# Altium PCB PIX_NANO.PcbDoc (part 1 of 2) (continued)
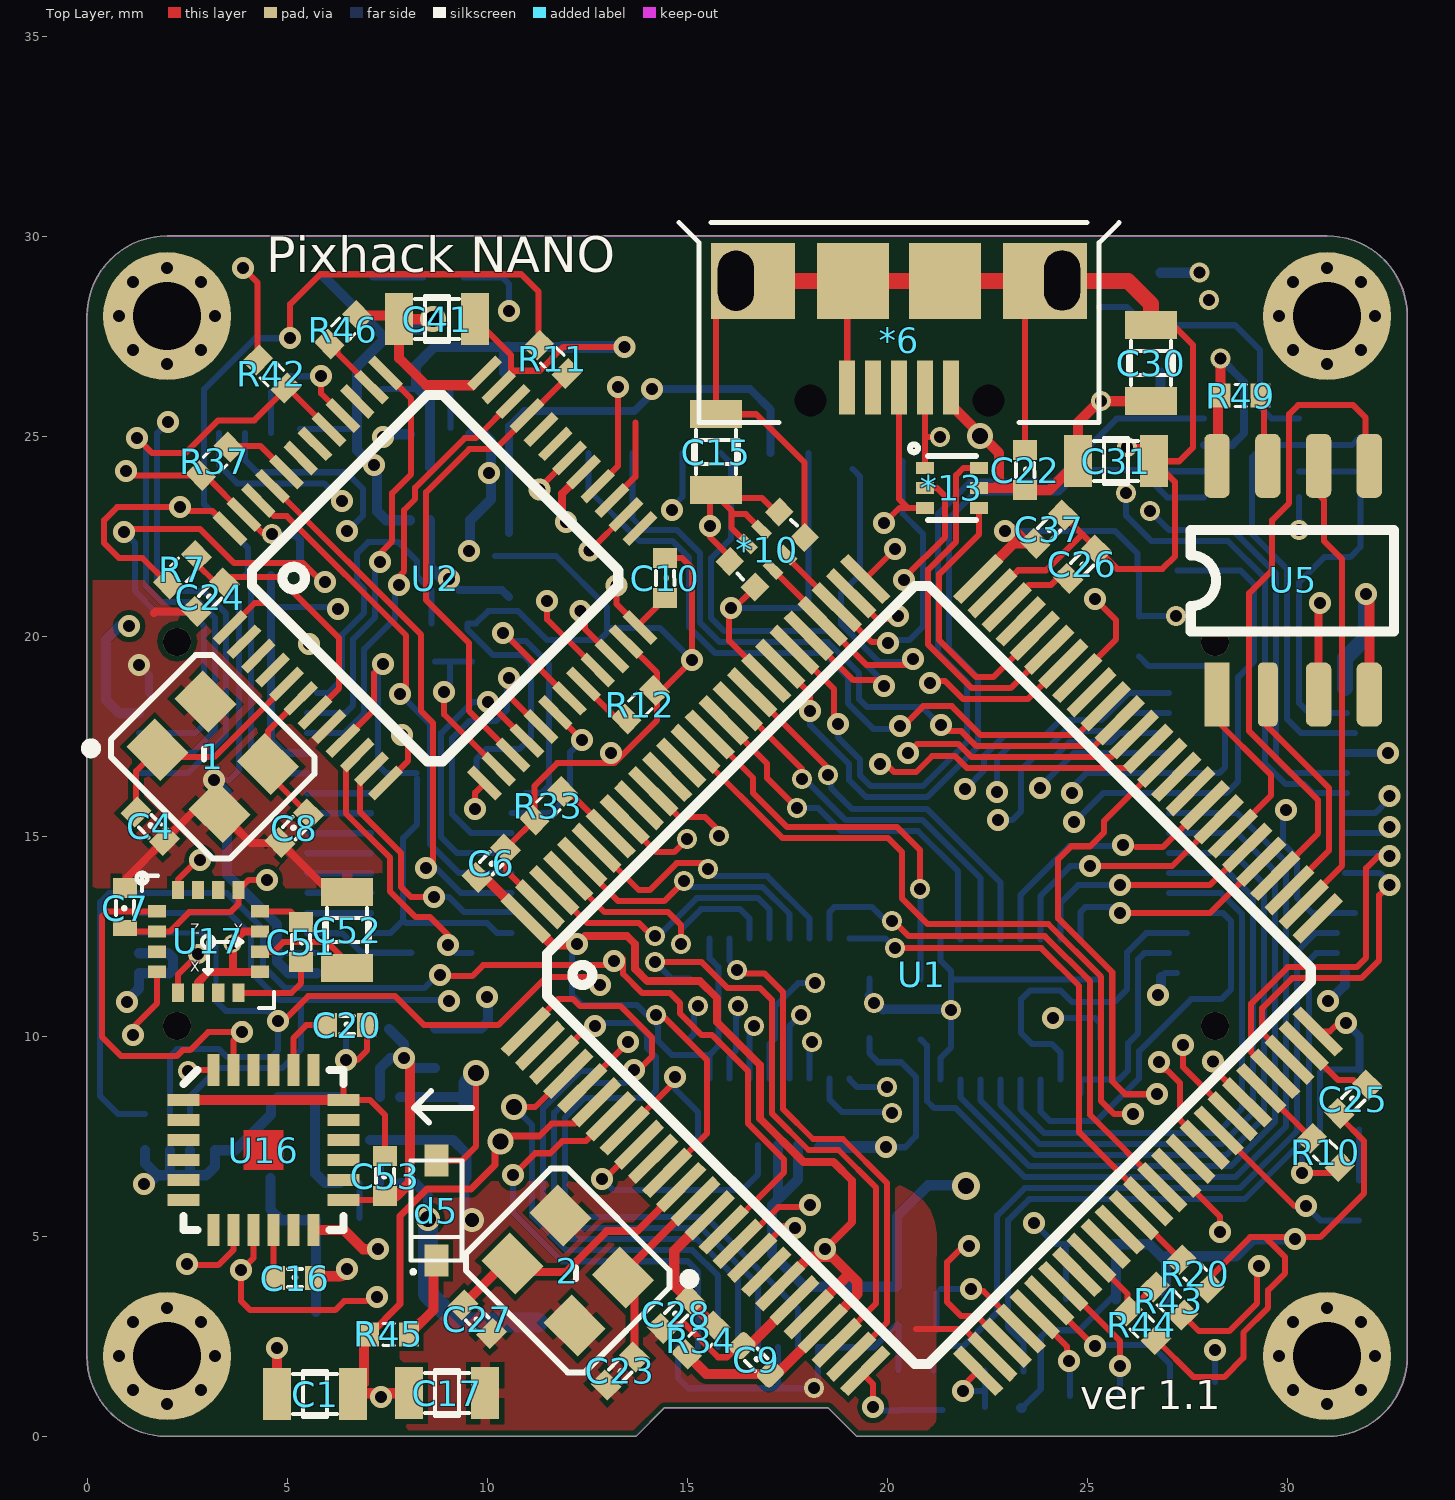
[diagram p0: Top Layer view]
## Footprints (in the part's own frame and the unit in brackets; to place one, negate y for a bottom-side part, rotate by r counter-clockwise, add the part's x,y. Pads: shape width x height; smd on the part's side, far side on the other; paste and mask are expansions set on the pad)
0402_4R [mm]
  rect 0.525x0.5 smd: 1(-0.85,-0.425) 4(0.9,-0.425) 5(0.9,0.475) 8(-0.85,0.475)
  rect 0.25x0.5 smd: 2(-0.225,-0.425) 3(0.275,-0.425) 6(0.275,0.475) 7(-0.225,0.475)
  silkscreen extent -0.93,-0.08 0.97,0.12, body extent -0.97,-0.5 1.03,0.5, height 0.45
0402CAP#1 [mm]
  rect 0.5x0.6 smd: 1(0.5,0) 2(-0.5,0)
  silkscreen extent -0.18,-0.23 0.18,0.23, body extent -0.5,-0.25 0.5,0.25, height 0.5
0402CAP#2 [mm]
  rect 0.4x0.6 smd: 1(0.5,0)
  rect 0.5x0.6 smd: 2(-0.5,0)
  silkscreen extent -0.18,-0.23 0.18,0.23, body extent -0.5,-0.25 0.5,0.25, height 0.5
0402CAP#3 [mm]
  rrect50% 0.5x0.6 smd: 1(0.5,0) 2(-0.5,0)
  silkscreen extent -0.18,-0.23 0.18,0.23, body extent -0.5,-0.25 0.5,0.25, height 0.5
0603-LED-YE [mm]
  rect 0.8x0.8 smd: 1(-0.821,-0.03) 2(0.679,-0.03)
  silkscreen extent -0.21,-0.49 0.1,0.43, body extent -0.88,-0.42 0.74,0.38, height 1.1
0805CAP#1 [mm]
  rect 0.7x1.3 smd: 1(-0.95,-0.025) 2(0.95,-0.025)
  silkscreen extent -0.55,-0.6 0.55,0.55, body extent -1.02,-0.62 0.98,0.58, height 1.2
0805CAP#2 [mm]
  rrect50% 0.7x1.3 smd: 1(-0.95,-0.025) 2(0.95,-0.025)
  silkscreen extent -0.55,-0.6 0.55,0.55, body extent -1.02,-0.62 0.98,0.58, height 1.2
0805CAP#3 [mm]
  rect 0.7x1.3 smd: 1(0.95,-0.025) 2(-0.95,-0.025)
  silkscreen extent -0.55,-0.6 0.55,0.55, body extent -1.02,-0.62 0.98,0.58, height 1.2
0805cap [mm]
  rect 0.7x1.3 smd: 1(-0.95,-0.025) 2(0.95,-0.025)
  silkscreen extent -0.55,-0.6 0.55,0.55, body extent -1.02,-0.62 0.98,0.58, height 1.2
7343CAP [mm]
  rrect50% 2.4x3.5 smd: A(-2.518,-0.084) C(3.289,-0.084)
  silkscreen extent -4.15,-2.28 4.92,2.12, body extent -3.14,-2.4 4.16,1.9, height 2.25
47352-1001 [mm]
  rrect50% 0.8x1.5 smd: 1(-2.233,4.882) 2(-1.133,4.482) 3(-0.033,4.882) 4(1.067,5.082) 5(2.167,4.882) 6(3.267,5.082) 7(4.367,4.882) 8(5.467,4.882)
  rect 1.4x1.9 smd: 6(6.257,7.732) NC(-7.143,8.732)
  rect 1.8x1 smd: NC1(-1.043,-5.418)
  rect 1.8x1.2 smd: NC2(4.657,-5.418)
  silkscreen extent -7.59,-5.82 6.71,14.78, body extent -7.4,-6.11 6.7,9.09, height 1.9
547220164 [mm]
  rect 0.3x1.25 smd: 1(-1.775,2.425) 2(-1.275,2.425) 3(-0.775,2.425) 4(-0.275,2.425) 5(0.225,2.425) 6(0.725,2.425) 7(1.225,2.425) 8(1.725,2.425) 9(1.725,-2.625) 10(1.225,-2.625) 11(0.725,-2.625) 12(0.225,-2.625) 13(-0.275,-2.625) 14(-0.775,-2.625) 15(-1.275,-2.625) 16(-1.775,-2.625)
  silkscreen extent -3.3,-2.58 3.3,2.42, body extent -3.3,-3.07 3.3,2.93, height 1.17
AXK630247YG [mm]
  rect 0.25x1.25 smd: 1(-3.575,2.2) 2(-3.075,2.2) 3(-2.575,2.2) 4(-2.075,2.2) 5(-1.575,2.2) 6(-1.075,2.2) 7(-0.575,2.2) 8(-0.075,2.2) 9(0.425,2.2) 10(0.925,2.2) 11(1.425,2.2) 12(1.925,2.2) 13(2.425,2.2) 14(2.925,2.2) 15(3.425,2.2) 16(3.425,-2) 17(2.925,-2) 18(2.425,-2) 19(1.925,-2) 20(1.425,-2) 21(0.925,-2) 22(0.425,-2) 23(-0.075,-2) 24(-0.575,-2) 25(-1.075,-2) 26(-1.575,-2) 27(-2.075,-2) 28(-2.575,-2) 29(-3.075,-2) 30(-3.575,-2)
  silkscreen extent -5.5,-1.7 5.28,1.8, body extent -5.45,-2.2 5.25,2.4, height 2.9
HMC5983 [mil]
  rect 18x12 smd: 1(-54.21,30.87) 2(-54.21,10.87) 3(-54.21,-8.97) 4(-54.21,-28.65) 9(46.98,-28.65) 10(46.98,-8.97) 11(46.98,10.87) 12(46.98,30.87)
  rect 12x18 smd: 5(-33.54,-49.32) 6(-13.86,-49.32) 7(5.98,-49.32) 8(25.98,-49.32) 13(25.98,51.87) 14(5.98,51.87) 15(-13.86,51.87) 16(-33.54,51.87)
  silkscreen extent -74,-64 61,68, body extent -63,-58 57,62, height 35
KYOCERA-KNH16-DA [mm]
  rect 0.3x0.4 smd: 0(0.022,-0.517) 0(0.022,0.283)
  rrect50% 0.7x0.6 smd: 1(0.822,-0.117) 2(-0.778,-0.117)
  silkscreen extent -0.78,-0.52 0.82,0.28
MIC5530 [mm] "QFN, 8-Leads, Body 2.0x2.0mm (max), Pitch 0.00mm, Pitch1 0.50mm, IPC Medium Density"
  oval 0.55x0.25 smd: 1(-1.075,0.75) 2(-1.075,0.25) 3(-1.075,-0.25) 4(-1.075,-0.75) 5(1.075,-0.75) 6(1.075,-0.25) 7(1.075,0.25) 8(1.075,0.75)
  rect 0.7x1.3 smd: 2(0,0)
  silkscreen extent -1.37,-1 1,1.43, body extent -1,-1 1,1, height 0.85
"moles usb" [mm]
  rect 0.4x1.35 smd: 1(1.376,-1.4) 2(0.726,-1.4) 3(0.075,-1.4) 4(-0.575,-1.4) 5(-1.225,-1.4)
  round 0 hole 0.9 slot 1.5 at 90 deg: 5(-4.005,1.275) 5(4.149,1.282)
  rect 2.1x1.9 smd: 5(-3.575,1.273) 5(3.726,1.273)
  round 0 hole 0.8: 5(-2.142,-1.716) 5(2.308,-1.716)
  rect 1.8x1.9 smd: 5(-1.073,1.273) 5(1.227,1.273)
  Top Layer lines w0.254: 0.02,-1.88 0.075,-1.825 ; 0.075,-1.825 0.075,-1.825
  Multi-Layer lines w0.83: -4.005,0.935 -4.005,1.273 -4.005,1.275 -4.005,1.615 ; 4.155,0.935 4.155,1.263 4.155,1.273 4.155,1.282 4.155,1.615
  silkscreen extent -5.42,-2.27 5.58,2.73, body extent -3.92,-1.87 4.06,3.56, height 2.67
MPU6000 [mm]
  rect 0.8x0.3 smd: 1(-1.914,1.214) 2(-1.914,0.714) 3(-1.914,0.214) 4(-1.914,-0.286) 5(-1.914,-0.786) 6(-1.914,-1.286) 13(2.086,-1.286) 14(2.086,-0.786) 15(2.086,-0.286) 16(2.086,0.214) 17(2.086,0.714) 18(2.086,1.214)
  rect 0.3x0.8 smd: 7(-1.164,-2.036) 8(-0.664,-2.036) 9(-0.164,-2.036) 10(0.336,-2.036) 11(0.836,-2.036) 12(1.336,-2.036) 19(1.336,1.964) 20(0.836,1.964) 21(0.336,1.964) 22(-0.164,1.964) 23(-0.664,1.964) 24(-1.164,1.964)
  Top Layer region: -0.414,-0.536 0.586,-0.536 0.586,0.464 -0.414,0.464
  Top Layer region: -0.214,-0.336 0.386,-0.336 0.386,0.264 -0.214,0.264
  Top Layer region: -0.414,-0.536 0.586,-0.536 0.586,0.464 -0.414,0.464
  silkscreen extent -1.91,-2.04 2.09,1.96, body extent -1.9,-2 2.1,2, height 1
ms5611 [mm]
  rect 0.6x1.1 smd: 1(1.925,1.125) 2(0.675,1.125) 3(-0.575,1.125) 4(-1.825,1.125) 5(-1.825,-1.075) 6(-0.575,-1.075) 7(0.675,-1.075) 8(1.925,-1.075)
  silkscreen extent -2.7,-1.73 2.8,1.77, body extent -2.47,-1.53 2.53,1.47, height 1
QFN20-RGY [mm]
  rect 0.85x0.28 smd: 1(-1.79,-0.672) 10(2.71,-0.672) 11(2.71,0.828) 20(-1.79,0.828)
  rect 0.28x0.85 smd: 2(-1.29,-1.672) 3(-0.79,-1.672) 4(-0.29,-1.672) 5(0.21,-1.672) 6(0.71,-1.672) 7(1.21,-1.672) 8(1.71,-1.672) 9(2.21,-1.672) 12(2.21,1.828) 13(1.71,1.828) 14(1.21,1.828) 15(0.71,1.828) 16(0.21,1.828) 17(-0.29,1.828) 18(-0.79,1.828) 19(-1.29,1.828)
  silkscreen extent -2.11,-1.99 2.71,1.83, body extent -1.77,-1.73 2.67,1.83, height 1
R0402 [mm]
  rect 0.5x0.6 smd: 1(-0.494,-0.021) 2(0.506,-0.021)
  silkscreen extent -0.13,-0.3 0.15,0.25, body extent -0.5,-0.27 0.5,0.23, height 0.3
SO-8 [mil]
  round 20 on Top Overlay: 0(-28.5,62.8)
  rect 62.99x25 smd: 1(-112.5,75)
  rrect50% 62.99x19.68 smd: 2(-112.5,25)
  rrect50% 62.99x25 smd: 3(-112.5,-25) 4(-112.5,-75) 5(112.5,-75) 6(112.5,-25) 7(112.5,25) 8(112.5,75)
  silkscreen extent -51,-99 50,101, body extent -118,-96 118,96
SOD323 [mm]
  rect 0.6x0.8 smd: 1(-0.217,1.264) 2(-0.217,-1.236)
  silkscreen extent -0.87,-1.56 0.43,1.26, body extent -0.87,-1.28 0.48,1.32, height 1.1
SOT23-8 [mil]
  rect 17x52 smd: 1(-38.46,-51.13) 2(-12.87,-51.13) 3(12.93,-51.13) 4(38.93,-51.13) 5(38.93,42.13) 6(12.93,42.13) 7(-12.87,42.13) 8(-38.46,42.13)
  silkscreen extent -59,-44 60,35, body extent -59,-60 59,50, height 44
SOT563-6 [mm]
  rect 0.45x0.3 smd: 1(-0.635,0.459) 2(-0.635,-0.041) 3(-0.635,-0.541) 4(0.715,-0.541) 5(0.715,-0.041) 6(0.715,0.459)
  silkscreen extent -1,-0.84 0.64,1.05, body extent -0.76,-0.85 0.86,0.75, height 0.58
TQFP48 [mm]
  rect 1x0.24 smd: 1(-4.65,2.85) 2(-4.65,2.35) 3(-4.65,1.85) 4(-4.65,1.35) 5(-4.65,0.85) 6(-4.65,0.35) 7(-4.65,-0.15) 8(-4.65,-0.65) 9(-4.65,-1.15) 10(-4.65,-1.65) 11(-4.65,-2.15) 12(-4.65,-2.65) 25(4.35,-2.65) 26(4.35,-2.15) 27(4.35,-1.65) 28(4.35,-1.15) 29(4.35,-0.65) 30(4.35,-0.15) 31(4.35,0.35) 32(4.35,0.85) 33(4.35,1.35) 34(4.35,1.85) 35(4.35,2.35) 36(4.35,2.85)
  rect 0.24x1 smd: 13(-2.9,-4.4) 14(-2.4,-4.4) 15(-1.9,-4.4) 16(-1.4,-4.4) 17(-0.9,-4.4) 18(-0.4,-4.4) 19(0.1,-4.4) 20(0.6,-4.4) 21(1.1,-4.4) 22(1.6,-4.4) 23(2.1,-4.4) 24(2.6,-4.4) 37(2.6,4.6) 38(2.1,4.6) 39(1.6,4.6) 40(1.1,4.6) 41(0.6,4.6) 42(0.1,4.6) 43(-0.4,4.6) 44(-0.9,4.6) 45(-1.4,4.6) 46(-1.9,4.6) 47(-2.4,4.6) 48(-2.9,4.6)
  silkscreen extent -3.52,-3.27 3.23,3.48, body extent -4.66,-4.41 4.36,4.61, height 1.1
TQFP100_2 [mm]
  rect 1.5x0.29 smd: 1(-7.675,6.55) 2(-7.675,6.05) 3(-7.675,5.55) 4(-7.675,5.05) 5(-7.675,4.55) 6(-7.675,4.05) 7(-7.675,3.55) 8(-7.675,3.05) 9(-7.675,2.55) 10(-7.675,2.05) 11(-7.675,1.55) 12(-7.675,1.05) 13(-7.675,0.55) 14(-7.675,0.05) 15(-7.675,-0.45) 16(-7.675,-0.95) 17(-7.675,-1.45) 18(-7.675,-1.95) 19(-7.675,-2.45) 20(-7.675,-2.95) 21(-7.675,-3.45) 22(-7.675,-3.95) 23(-7.675,-4.45) 24(-7.675,-4.95) 25(-7.675,-5.45) 51(8.325,-5.45) 52(8.325,-4.95) 53(8.325,-4.45) 54(8.325,-3.95) 55(8.325,-3.45) 56(8.325,-2.95) 57(8.325,-2.45) 58(8.325,-1.95) 59(8.325,-1.45) 60(8.325,-0.95) 61(8.325,-0.45) 62(8.325,0.05) 63(8.325,0.55) 64(8.325,1.05) 65(8.325,1.55) 66(8.325,2.05) 67(8.325,2.55) 68(8.325,3.05) 69(8.325,3.55) 70(8.325,4.05) 71(8.325,4.55) 72(8.325,5.05) 73(8.325,5.55) 74(8.325,6.05) 75(8.325,6.55)
  rect 0.29x1.5 smd: 26(-5.675,-7.45) 27(-5.175,-7.45) 28(-4.675,-7.45) 29(-4.175,-7.45) 30(-3.675,-7.45) 31(-3.175,-7.45) 32(-2.675,-7.45) 33(-2.175,-7.45) 34(-1.675,-7.45) 35(-1.175,-7.45) 36(-0.675,-7.45) 37(-0.175,-7.45) 38(0.325,-7.45) 39(0.825,-7.45) 40(1.325,-7.45) 41(1.825,-7.45) 42(2.325,-7.45) 43(2.825,-7.45) 44(3.325,-7.45) 45(3.825,-7.45) 46(4.325,-7.45) 47(4.825,-7.45) 48(5.325,-7.45) 49(5.825,-7.45) 50(6.325,-7.45) 76(6.325,8.55) 77(5.825,8.55) 78(5.325,8.55) 79(4.825,8.55) 80(4.325,8.55) 81(3.825,8.55) 82(3.325,8.55) 83(2.825,8.55) 84(2.325,8.55) 85(1.825,8.55) 86(1.325,8.55) 87(0.825,8.55) 88(0.325,8.55) 89(-0.175,8.55) 90(-0.675,8.55) 91(-1.175,8.55) 92(-1.675,8.55) 93(-2.175,8.55) 94(-2.675,8.55) 95(-3.175,8.55) 96(-3.675,8.55) 97(-4.175,8.55) 98(-4.675,8.55) 99(-5.175,8.55) 100(-5.675,8.55)
  silkscreen extent -6.67,-6.45 7.33,7.55, body extent -7.65,-7.45 8.35,8.55, height 1.2
"TSSOP8 - duplicate" [mm]
  rect 1x0.35 smd: 1(-1.595,0.925) 2(-1.595,0.275) 3(-1.595,-0.375) 4(-1.595,-1.025) 5(1.955,-1.025) 6(1.955,-0.375) 7(1.955,0.275) 8(1.955,0.925)
  silkscreen extent -1.94,-1.5 1.68,1.56, body extent -1.93,-1.6 2.17,1.5, height 1.1
TSX-3225 [mm]
  rect 1.2x1 smd: 1(1.133,0.764) 2(-1.067,0.764) 3(-1.067,-0.936) 4(1.133,-0.936)
  silkscreen extent -2.07,-1.89 2.43,2.01, body extent -1.6,-1.33 1.6,1.17, height 0.6

## Part data
*10 RB7: library part 0402_4R
*12: library part 47352-1001
C1 C2 C3 C4 C5 C6 C8 C9 C10 C14 C15 C17 C22 C23 C24 C25 C26 C27 C28 C30 C31 C37 C40 C41 C44 C45: library part Cap
C7 C16 C20 C46 C47 C51 C52 C53: library part Cap, "Capacitor"
C12: library part "Cap Pol1", "Polarized Capacitor (Radial)"
d5 D6: library part "D Schottky", "Schottky Diode"
D11 D12: "Typical RED GaAs LED"
IO_CON IO_CON2: library part AXK630247YG\
R3 R7 R10 R11 R12 R20 R21 R22 R23 R24 R27 R28 R29 R31 R33 R34 R35 R36 R37 R42 R43 R44 R45 R46 R47 R48 R49: library part Res2, "Resistor"
U5: library part Component_1
U3004: library part MAX3051MAX3051EKA, "IC TXRX CAN 1MBPS SOT23-8"

## Free pads (board coordinates)
  round 3.2 hole 1.7: 1(2,2) 1(2,28) 1(31,2) 1(31,28)
  round 0 hole 0.3: 3(0.8,2) 3(0.8,28) 3(1.151,1.151) 3(1.151,27.151) 3(2,0.8) 3(2,26.8) 3(2.849,1.151) 3(2.849,27.151) 3(29.8,2) 3(29.8,28) 3(30.151,1.151) 3(30.151,27.151) 3(31,0.8) 3(31,26.8) 3(31.849,1.151) 3(31.849,27.151) 5(1.151,2.849) 5(1.151,28.849) 5(2,3.2) 5(2,29.2) 5(2.849,2.849) 5(2.849,28.849) 5(3.2,2) 5(3.2,28) 5(30.151,2.849) 5(30.151,28.849) 5(31,3.2) 5(31,29.2) 5(31.849,2.849) 5(31.849,28.849) 5(32.2,2) 5(32.2,28)

## Via types
v1: diameter 0.55, hole 0.3, Top Layer to Bottom Layer, 139 vias
v2: diameter 0.5, hole 0.3, Top Layer to Bottom Layer, 39 vias
v3: diameter 0.65, hole 0.4, Top Layer to Bottom Layer, 5 vias
v4: diameter 0.7, hole 0.7, Top Layer to Bottom Layer, 4 vias
v5: diameter 0.7, hole 0.4, Top Layer to Bottom Layer, 1 vias
v6: diameter 0.6, hole 0.35, Top Layer to Bottom Layer, 1 vias
v7: diameter 0.6, hole 0.4, Top Layer to Bottom Layer, 1 vias
v8: diameter 0.45, hole 0.3, Top Layer to Bottom Layer, 1 vias

## Nets (pads, with @x,y where several pads share a name; then routed paths per layer and width w, separated by ;. In a path a pad name is that pad's centre, name@x,y a point inside that pad or via, vN(x,y) a via of type N, cw(c..) or ccw(c..) an arc to the next point about the centre after c; other vN are vias at no path point)
3.3V-2: F3.1 LDO2.7 | length 3.3
  Bottom Layer w0.2: v1(9.05,21.425) 9.05,21.4 9.3,21.15 10.371,21.15 F3.1@10.542,20.978
  Bottom Layer w0.25: LDO2.7@8.575,22.9 8.575,21.725 v1@8.875,21.425
3.3V-4: C2.2 C7.1 C46.1 C47.1 C53.1 LDO1.7 U16.13 U17.2 U17.13 U18.1 | length 42.5
  Top Layer w0.15: C7.1@1,12.613 U17.2@1.748,12.613 2.063,12.613 2.55,13.1 3.575,13.1 3.785,13.31 U17.13@3.785,13.655 4.03,13.9 v1(4.5,13.9) ; U16.13@6.411,5.901 C53.1@7.601,5.901 ; v1(7.925,9.45) v1@8.075,9.3
  Top Layer w0.254: C53.1@7.45,6 7.725,6 8.075,6.35 v1@8.075,9.3
  Mid-Layer 1 w0.25: v1(4.5,13.9) 5.625,13.9 6.125,13.4 6.125,10.75 6.725,10.15 7.575,10.15
  Mid-Layer 1 w0.254: 7.575,10.15 7.925,9.8 v1(7.925,9.45) 7.925,7.425 8.575,6.775 9.325,6.775 10.425,5.675 15.393,5.675 17.149,7.431 18.961,7.431 20.156,6.236 20.156,5.55 20.381,5.325 v1(23.675,5.325)
  Bottom Layer w0.15: v1(23.675,5.325) 24.2,4.8 C47.1@24.6,4.8 ; U18.1@24.475,3.425 C47.1@24.475,4.675
  Bottom Layer w0.25: LDO1.7@7.324,8.482 7.324,9.199 7.575,9.45 v1(7.925,9.45) ; C2.2@7.55,10.175 7.925,9.8 v1(7.925,9.45) ; C46.1@8.7,9.2 8.175,9.2 v1(7.925,9.45)
3V3_SENSORS_EN: U1.2
5V_HIPOWER_OC: U1.41
5V_PERIRH_OC: R10.2 U1.46 | length 1.8
  Top Layer w0.15: U1.46@29.351,8.702 R10.2@30.599,7.455
ACCEL_MAG: 
ACCEL_MAG_CS: con1.4 U1.9 | length 6.3
  Top Layer w0.15: v1@12.775,6.425 v1(12.875,6.425) ; v1@12.903,6.397 U1.9@13.795,7.288
  Bottom Layer w0.15: v1(12.875,6.425) 13.15,6.15 16.375,6.15 16.775,6.55 con1.4@16.775,7.275
ADC1: U1.18
ADC2: U1.33
ADC6.6: IO_CON2.4 R43.2 | length 22.6
  Top Layer w0.15: R43.2@27.393,3.027 27.795,2.625 28.55,2.625 29.25,3.325 v1@29.25,4.25
  Mid-Layer 1 w0.15: v1@29.15,4.4 v1(29.3,4.25) 31.162,4.25 32.15,5.238 32.15,12.55 31.925,12.775 31.925,15.025 31.35,15.6 30.025,15.6 v1(29.975,15.65)
  Bottom Layer w0.15: v1@29.9,15.55 29.9,14.814 30.25,14.464 30.25,13.45 30.625,13.075 IO_CON2.4@31.7,13.075
ALARM: IO_CON.20 U1.77 | length 35.3
  Top Layer w0.15: U1.77@19.098,21.077 19.75,20.425 v1@20.25,20.425
  Mid-Layer 1 w0.15: v1(2.025,25.35) 2.113,25.262 3.013,25.262 3.35,25.6 11.075,25.6 11.9,24.775 17.889,24.775 18.825,23.839 18.825,21.15 19.475,20.5 v1(20.275,20.5)
  Bottom Layer w0.15: IO_CON.20@1.3,16.575 2.514,16.575 3.475,17.536 3.475,20.564 2.914,21.125 1.975,21.125 1.75,21.35 1.75,25.075 v1@2.037,25.362
ARBER_LED: R47.2 U2.28 | length 8.9
  Top Layer w0.15: U2.28@12.764,23.75 13.275,24.261 v1(13.275,26.225)
  Mid-Layer 1 w0.15: v1(10.55,28.125) 12.25,28.125 12.575,27.8 12.575,26.525 12.9,26.2 v1@13.375,26.2
  Bottom Layer w0.15: R47.2@9.406,28.971 10.379,28.971 10.55,28.8 v1(10.55,28.125)
AUX_CH1: IO_CON.25
AUX_CH2: IO_CON.24
AUX_CH3: IO_CON.23
AUX_CH4: IO_CON.22
AUX_CH5: IO_CON.21
BARO_CS: U1.88 U18.5 | length 25.4
  Top Layer w0.15: U1.88@15.209,17.188 15.209,17.127 17.386,14.95 20.025,14.95 20.375,14.6 20.375,13.439 21.014,12.8 24.033,12.8 25.35,11.483 25.35,8.375 25.675,8.05 v1(26.15,8.05)
  Mid-Layer 1 w0.15: v1(26.15,8.05) 26.65,8.05 27.05,7.65 27.05,2.725 27.625,2.15 v1(28.2,2.15)
  Bottom Layer w0.15: U18.5@28.2,1.35 v1(28.2,2.15)
BARO_EXT_CS: con1.7 U1.8 | length 3.8
  Top Layer w0.15: U1.8@13.441,7.616 U1.8@13.441,7.642 13.467,7.642 v1@14.75,8.925
  Bottom Layer w0.15: v1(14.7,8.975) 14.7,8.675 15.275,8.1 con1.7@15.275,7.275
BATT_CURRENT: IO_CON2.2 R23.2 | length 17.5
  Bottom Layer w0.15: R23.2@23.414,1.622 23.414,2.325 23.025,2.713 23.025,5.4 23.55,5.925 28.933,5.925 30.55,7.542 30.55,11.9 30.725,12.075 IO_CON2.2@31.25,12.075
BATT_CURRENT_SENT: R23.1 R24.2 U1.26 | length 2.4
  Top Layer w0.15: v1(21.9,1.125) 21.774,1.125 U1.26@22.28,1.631
  Bottom Layer w0.15: v1(21.9,1.125) 22.444,1.125 ; R23.1@22.304,1.646 R23.1@22.431,1.646 ; R24.2@22.444,0.729 22.444,1.125 ; R23.1@22.444,1.608 22.444,1.125
BATT_VOLTAGE: IO_CON2.3 R35.2 | length 18.8
  Bottom Layer w0.15: R35.2@21.161,1.632 21.161,1.886 21.525,2.25 21.9,2.25 22.75,3.1 22.75,5.514 23.436,6.2 28.82,6.2 30.25,7.63 30.25,12.125 30.7,12.575 IO_CON2.3@31.25,12.575
BATT_VOLTAGE_SENS: R35.1 R36.2 U1.25 | length 2.8
  Top Layer w0.15: U1.25@19.452,1.631 19.452,1.498 19.65,1.3 v1(19.65,0.725)
  Bottom Layer w0.15: v1(19.65,0.725) 19.731,0.644 R36.2@20.321,0.644 ; R36.2@20.321,0.656 R35.1@21.379,0.656
BLUE_LED: U2.27 | length 2.2
  Top Layer w0.15: U2.27@13.118,23.396 13.704,23.983 13.704,25.346
BOOT0: R33.1 U1.94 | length 1.6
  Top Layer w0.15: R33.1@11.884,16.114 12.04,16.114 U1.94@13.088,15.066
BOOT1: R20.1 U1.37 | length 1.6
  Top Layer w0.15: U1.37@26.169,5.52 26.233,5.52 R20.1@27.343,4.41
BRICK_VALID: IO_CON.28 RB7.2 U1.91 | length 28.2
  Top Layer w0.15: v1(4.775,10.375) 4.9,10.375 5.525,11 7.7,11 8.425,10.275 10.275,10.275 11.475,11.475 12.625,11.475 v1(12.825,11.275) ; U1.91@14.149,16.127 14.8,15.475 15.45,15.475 15.8,15.125 v2(15.8,15)
  Mid-Layer 1 w0.15: v1(12.825,11.275) 15,11.275 15.425,11.7 15.425,12.125 16.15,12.85 16.15,14.65 v2(15.8,15)
  Bottom Layer w0.125: IO_CON.28@1.3,12.575 2.9,12.575 3.225,12.25 3.225,10.875
  Bottom Layer w0.15: RB7.2@2.074,8.051 2.074,9.499 2.25,9.675 3.3,9.675 3.5,9.475 4.6,9.475 4.775,9.65 v1(4.775,10.375) 4.525,10.625 3.475,10.625 3.225,10.875
CAN1_RX: U1.81 U3004.4 | length 20.7
  Top Layer w0.15: U1.81@17.684,19.662 18.675,18.671 18.675,17.925 v1@18.575,17.825
  Bottom Layer w0.15: v1(18.776,17.801) 18.776,17.463 19.325,16.914 19.325,16.514 19.589,16.25 20.886,16.25 22,17.364 22,18.847 21.275,19.572 21.275,23.064 22.075,23.864 24.164,23.864 25.739,25.439 U3004.4@27.926,25.439
CAN1_TX: U1.82 U3004.1 | length 20.8
  Top Layer w0.15: U1.82@17.33,19.309 18.075,18.564 v1@18.075,18.05
  Bottom Layer w0.15: v1(18.076,18.126) 18.076,17.774 19.05,16.8 19.05,16.4 19.475,15.975 21,15.975 22.275,17.25 22.275,18.961 21.55,19.686 21.55,22.95 22.189,23.589 24.289,23.589 24.857,24.157 26.318,24.157 27.002,23.473 U3004.1@27.926,23.473
CAN_H_1: IO_CON2.14 R3.1 U3004.7 | length 9.4
  Bottom Layer w0.15: U3004.7@30.295,24.123 R3.1@31.721,24.123 ; IO_CON2.14@31.5,18.075 30.55,18.075 30.3,18.325 30.3,21.35 30.925,21.975 31.575,21.975 31.829,22.229 R3.1@31.829,23.981
CAN_L_1: IO_CON2.13 R3.2 U3004.6 | length 11.7
  Bottom Layer w0.15: IO_CON2.13@31.7,17.575 30.35,17.575 30,17.925 30,21.675 29.125,22.55 29.125,24.475 29.428,24.778 U3004.6@30.295,24.778 31.626,24.778 R3.2@31.829,24.981
CH1: U2.10 U3.20 | length 6.8
  Top Layer w0.15: U2.10@6.754,17.032 6.469,16.747 6.469,15.567 7.575,14.461 7.575,13.611 8.211,12.975 8.575,12.975 9.025,12.525 v1(9.025,12.275)
  Bottom Layer w0.15: v1(9.025,12.275) 9.215,12.085 U3.20@9.603,12.085
CH2: U2.11 U3.18 | length 6.5
  Top Layer w0.15: U2.11@7.107,16.679 6.822,16.394 6.822,15.603 7.85,14.575 7.85,13.725 8.1,13.475 v1(8.675,13.475)
  Bottom Layer w0.15: v1(8.675,13.475) 9.05,13.475 9.425,13.1 U3.18@10.603,13.1
CH3: U2.45 U3.17 | length 13.7
  Top Layer w0.15: U2.45@4.632,23.75 8.35,20.032 8.35,18.125 8.65,17.825 8.65,14.375 v1(8.475,14.2)
  Bottom Layer w0.15: v1(8.475,14.2) 8.725,14.2 9.34,13.585 U3.17@10.603,13.585
CH4: U2.46 U3.16 | length 13
  Top Layer w0.15: U2.46@4.279,23.396 4.675,23 4.993,23 7.975,20.018 7.975,18.7 v1(7.825,18.55)
  Bottom Layer w0.15: v1@7.95,18.55 7.95,18.425 8.575,17.8 8.575,14.8 9.29,14.085 U3.16@10.603,14.085
CH5: U2.16 U3.15 | length 7.4
  Top Layer w0.15: v1(10.025,18.35) 10.989,17.386 U2.16@10.996,17.386
  Bottom Layer w0.15: v1(10.025,18.35) 9.625,18.35 8.85,17.575 8.85,14.975 9.24,14.585 U3.15@10.603,14.585
CH6: U2.17 U3.14 | length 7.6
  Top Layer w0.15: v1(10.55,18.95) 10.55,18.5 11.311,17.739 U2.17@11.35,17.739
  Bottom Layer w0.15: v1(10.55,18.95) 10.5,18.9 10.5,18.153 10.222,17.875 9.55,17.875 9.125,17.45 9.125,15.55 9.59,15.085 U3.14@10.603,15.085
CH7: U2.18 U3.13 | length 4.1
  Top Layer w0.15: U2.18@11.703,18.093 11.703,18.072 v1(12.375,17.4)
  Bottom Layer w0.15: U3.13@10.603,15.585 11.585,15.585 12.075,16.075 12.075,17.1 v1(12.375,17.4)
CH8: U2.19 U3.12 | length 7.5
  Top Layer w0.15: v1@10.414,20.089 U2.19@12.057,18.447
  Bottom Layer w0.15: v1(10.4,20.075) 10.6,19.875 10.975,19.875 11.55,19.3 11.55,16.275 11.35,16.075 U3.12@10.975,16.075
DM: *6.2 *13.1 IO_CON2.10 | length 21.5
  Top Layer w0.15: *13.1@20.951,24.219 *6.2@20.951,26.212 ; 21.001,24.975 v2(21.325,24.975)
  Mid-Layer 1 w0.15: v2(21.325,24.975) 21.325,23.95 21.8,23.475 22.415,23.475 22.415,23.866 22.745,23.866 22.745,23.475 23.075,23.475 23.075,23.866 23.405,23.866 23.405,23.475 23.735,23.475 23.9,23.475 25.875,23.475 v2(25.975,23.575)
  Bottom Layer w0.15: v2(25.975,23.575) 25.975,23.011 26.611,22.375 28.522,22.375 29.45,21.447 29.45,16.811 29.961,16.3 30.425,16.3 30.65,16.075 IO_CON2.10@31.5,16.075
DP: *6.3 *13.3 IO_CON2.11 | length 21.4
  Top Layer w0.15: v1(19.925,22.825) 20.309,23.209 20.516,23.209 ; *6.3@20.3,26.212 20.3,25.787 20.3,23.425 20.516,23.209 ; *13.3@20.94,23.209 20.516,23.209
  Mid-Layer 1 w0.15: v1(19.925,22.825) 20.225,23.125 v2(26.575,23.125)
  Bottom Layer w0.15: v2(26.575,23.125) 27.05,22.65 28.636,22.65 29.725,21.561 29.725,16.925 30.075,16.575 IO_CON2.11@31.5,16.575
EXTERN_DRDY: U1.36
FMU_AMBER_LED: R48.2 U1.43 | length 4.4
  Top Layer w0.15: U1.43@28.291,7.642 30.182,5.75 v1(30.475,5.75)
  Bottom Layer w0.15: v1(30.475,5.75) 30.831,5.394 R48.2@31.796,5.394
FMU_CH1: U1.45 | length 1.4
  Top Layer w0.15: v1@28.025,9.321 U1.45@28.998,8.349
  other v1: 28.15,9.371
FMU_CH2: U1.44 | length 2.3
  Top Layer w0.15: v1(27.4,9.775) 27.4,9.225 28.63,7.995 U1.44@28.644,7.995
FMU_CH3: U1.42 | length 2.7
  Top Layer w0.15: v1@26.625,9.325 26.8,9.15 27,9.15 27.325,8.825 27.325,7.9 U1.42@27.937,7.288
  other v1: 26.8,9.35
FMU_CH4: U1.40 | length 1.9
  Top Layer w0.15: U1.40@27.23,6.581 28.325,5.486 v1(28.325,5.1)
FMU_CH5: U1.60
FMU_CH6: U1.61
FMU_RESET: C28.2 R34.1 U1.14 | length 3.6
  Top Layer w0.254: U1.14@15.563,5.52 14.676,4.634 14.676,3.771 R34.1@15.691,2.756
FMU_RX: U1.64 U2.12 | length 21.1
  Top Layer w0.15: U2.12@7.461,16.325 8.025,16.889 8.025,17.375 v1(7.875,17.525) ; v1(20.525,17.075) 20.75,17.3 21.789,17.3 22.114,16.975 23.59,16.975 ; 23.591,16.976 24.212,16.976 ; 24.213,16.975 25.603,16.975 U1.64@26.169,17.541
  Mid-Layer 1 w0.15: v1(7.875,17.525) 8.825,17.525 9.874,16.476 16.601,16.476 17.4,17.275 19.628,17.275 20.075,17.275 20.275,17.075 v1(20.525,17.075)
FMU_SWCLK: U1.76 | length 1.1
  Top Layer w0.15: U1.76@19.452,21.43 v1(20.2,22.178)
FMU_SWDIO: U1.72
FMU_SWO: U1.89
FMU_TX: U1.63 U2.13 | length 18.9
  Top Layer w0.15: v1(9.7,15.675) 9.7,16.089 U2.13@9.936,16.325 ; v1(19.825,16.8) 19.825,16.95 20.175,16.6 20.722,16.6 21.122,17 21.7,17 22,16.7 23.704,16.7 ; 23.704,16.701 24.098,16.701 ; 24.099,16.7 26.035,16.7 U1.63@26.523,17.188
  Mid-Layer 1 w0.15: v1@9.8,15.85 10.15,16.2 16.714,16.2 17.514,17 19.575,17 19.625,16.95 19.825,16.95 v1(19.825,16.8)
"FRAM_ MOSI": U1.54 U5.5 | length 16.2
  Top Layer w0.15: U1.54@29.705,14.006 30.775,15.075 30.775,15.9 29.05,17.625 29.05,21.075 29.625,21.65 29.625,22.9 30.05,23.325 30.05,25.55 30.275,25.775 31.65,25.775 31.955,25.47 U5.5@31.955,24.483
FRAM_CS: U1.57 U5.1 | length 4.7
  Top Layer w0.15: U5.1@28.145,18.768 28.145,17.98 29.6,16.525 29.6,16.022 U1.57@28.644,15.066
FRAM_MISO: U1.53 U5.2 | length 6.2
  Top Layer w0.15: U5.2@29.415,18.768 29.415,17.835 31.05,16.2 31.05,14.644 U1.53@30.058,13.652
FRAM_SCK: U1.52 U5.6 | length 11.9
  Top Layer w0.15: U1.52@30.412,13.298 31.375,14.262 31.375,21.925 30.925,22.375 30.925,23.4 30.685,23.64 U5.6@30.685,24.483
"FUTURE USE": U1.90
GND: 1.2 1.4 2.2 2.4 *6.5@16.22,28.887 *6.5@16.65,28.885 *6.5@19,26.212 *6.5@19.152,28.885 *6.5@21.452,28.885 *6.5@23.951,28.885 *6.5@24.374,28.894 *10.8 *12.6 *12.NC *13.2 C1.1 C2.1 C3.1 C4.2 C5.1 C6.1 C7.2 C8.1 C9.1 C10.1 C12.C C14.1 C15.1 C16.2 C17.1 C20.2 C22.1 C23.2 C24.1 C25.1 C26.1 C27.1 C28.1 C30.1 C31.1 C37.1 C40.1 C41.1 C44.2 C45.2 C46.2 C47.2 C52.2 C53.2 con1.1 con1.9 con1.14 con1.16 F3.0 IO_CON2.1 IO_CON2.15 IO_CON2.30 IO_CON.1 IO_CON.2 IO_CON.16 LDO1.2 LDO2.2 R12.1 R20.2 R22.1 R24.1 R28.1 R33.2 R36.1 R37.1 R42.1 R44.1 U1.10 U1.20 U1.27 U1.74 U1.99 U2.8 U2.23 U2.35 U2.47 U3.11 U4.1 U4.4 U5.4 U6.11 U7.11 U16.1 U16.18 U17.6 U17.9 U17.11 U18.2 U18.3 U3004.2 U3004.5 U3004.8 | length 212.9
  Top Layer w0.15: v1@0.9,24.05 0.93,24.02 R37.1@2.841,24.02 2.948,24.02 U2.47@3.925,23.043 4.418,22.55 v2(4.625,22.55) ; v1@6.411,9.236 U16.18@6.411,8.401 7.074,8.401 7.45,8.025 C53.2@7.45,7 ; v1(6.475,9.4) 6.75,9.4 7,9.65 C20.2@7,10.275 ; C6.1@10.454,14.683 C6.1@10.454,14.679 ; U1.99@11.32,13.298 10.469,14.15 10.469,14.694 C6.1@10.579,14.804 ; U2.23@13.471,19.861 14.25,19.082 R12.1@14.25,18.639 ; R12.1@14.184,18.639 R12.1@14.25,18.639 ; C10.1@14.45,21.95 14.875,21.95 15.125,21.7 v1(15.125,19.4) 14.364,18.639 R12.1@14.25,18.639 ; 20.725,2.675 21.943,2.675 U1.27@22.634,1.985 ; R44.1@26.722,2.416 27.663,1.475 28.425,1.475 28.907,1.957 28.907,2.593 29.525,3.211 29.525,3.65 29.95,4.075 29.95,4.475 29.45,4.975 ; R20.2@28.05,3.703 28.05,3.95 29.075,4.975 29.45,4.975 ; C25.1@31.296,8.071 31.296,8.004 31.925,7.375 31.925,6.075 30.825,4.975 29.45,4.975 ; C6.1@10.454,14.679 10.579,14.808 C6.1@10.579,14.804 ; C6.1@10.454,14.679 C6.1@10.579,14.804 ; C6.1@10.579,14.804 11.177,15.402 R33.2@11.177,15.407 11.177,16.252 11.75,16.825 13.175,16.825 14.25,17.9 R12.1@14.25,18.639
  Top Layer w0.154: v1(3.9,29.2) 4.261,28.839 R42.1@4.261,26.909 ; C41.1@9.7,27.925 10.6,27.025 U2.35@10.6,26.536 ; v1(13.432,27.232) 11.907,27.232 11.311,26.636 10.7,26.636 U2.35@10.6,26.536 ; C28.1@14.369,2.694 14.475,2.8 14.95,2.8 15.775,1.975 16,1.975 C9.1@16.289,2.264 ; *6.5@16.65,28.885 15.725,27.96 C15.1@15.725,25.55 16.725,25.55 17.937,24.338 *10.8@17.937,22.465 ; *6.5@19,26.212 19,28.734 *6.5@19.152,28.885 ; v1@20.444,21.475 21.448,22.479 21.448,23.5 21.239,23.709 *13.2@20.94,23.709 ; U1.74@22.634,21.077 22.702,21.077 23.275,21.65 23.975,21.65 24.866,22.541 24.891,22.541 ; C22.1@23.45,24.65 *6.5@23.45,28.385 ; C37.1@24.404,23.029 24.891,22.541 ; v2(26,24.725) 26.325,24.725 C31.1@26.675,24.375 ; C30.1@26.6,27.775 27.15,27.775 27.65,27.275 27.65,24.725 27.3,24.375 C31.1@26.675,24.375 ; U2.35@10.6,26.536 10.6,26.5 10.325,26.225 U2.35@10.289,26.225 U2.35@10.6,26.536 ; 24.891,22.541 25.75,21.682 26.882,21.682 27.2,22 27.2,23.85 C31.1@26.675,24.375
  Top Layer w0.2: C7.2@1,13.7 1,13.968 C4.2@1.929,14.896 2.637,15.605 1.2@3.314,15.605 4.095,14.825 4.843,14.825 6.068,13.6 C52.2@6.5,13.6 ; 1.675,20.575 1.721,20.621 C24.1@2.721,20.621 ; U17.6@2.773,11.084 2.773,11.341 3.041,11.609 3.65,11.609 ; U17.9@4.318,11.609 3.65,11.609 ; U17.11@4.318,12.613 3.913,12.613 3.65,12.35 3.65,11.609
  Top Layer w0.254: U16.1@2.411,8.401 U16.18@6.411,8.401 ; C1.1@4.75,1.05 v1(4.75,2.2) ; C16.2@5.7,3.95 cw(c5.75,3.95) 5.75,4 6.325,4 ccw(c6.325,4.175) v1(6.5,4.175) ; C9.1@16.289,2.264 C9.1@16.373,2.264 16.549,2.264 U1.20@17.684,3.399 ; v1(31.975,21.05) 32.055,20.97 U5.4@32.055,18.543
  Top Layer w0.4: *6.5@16.65,28.885 *6.5@19.152,28.885 *6.5@21.452,28.885 *6.5@23.951,28.885 ; *6.5@23.951,28.875 26.025,28.875 26.6,28.3 C30.1@26.6,27.775
  Bottom Layer w0.15: v1(3.175,16.4) 3.55,16.4 3.8,16.65 3.8,20.775 3.375,21.2 U4.4@3.375,21.63 ; 4.75,11.925 4.9,12.075 IO_CON.2@5.75,12.075 ; v1(6.475,9.4) C2.1@6.475,10.1 ; C3.1@7.375,26.175 C44.2@8.167,26.175 ; v6@9.482,5.643 C14.1@9.482,6.45 ; U3.11@9.728,16.585 9.728,16.928 9.975,17.175 10.8,17.175 11.1,17.475 11.1,19.325 10.9,19.525 10.15,19.525 9.504,20.171 R28.1@9.504,20.319 9.719,20.319 10.025,20.625 10.775,20.625 11.5,19.9 12.8,19.9 13,20.1 ; F3.0@10.192,22.003 F3.0@10.992,22.003 11.722,22.003 13,20.725 13,20.1 ; v1@14.55,23.15 14.883,23.483 *12.6@14.883,24.582 ; v1(15.125,19.4) 14.325,20.2 13.1,20.2 13,20.1 ; R36.1@20.279,1.644 R22.1@20.279,2.781 ; R24.1@23.368,0.704 23.841,1.177 ; v1(24.15,10.45) 25.2,10.45 25.335,10.315 U6.11@25.335,9.922 ; IO_CON2.30@26.85,11.475 26.95,11.575 IO_CON2.30@27.25,11.575 ; v1(31.025,10.875) v1@31.05,10.875
  Bottom Layer w0.154: con1.9@14.775,2.225 14.775,1.45 15.025,1.2 17.4,1.2 ; con1.14@17.275,2.225 17.275,1.325 17.4,1.2 ; v2(18.175,1.2) 17.4,1.2 ; v2@18.275,1.3 con1.16@18.275,2.225 19.677,2.225 R22.1@20.256,2.804 ; U7.11@19.56,9.947 19.56,9.565 19.775,9.35 20.35,9.35 20.718,8.982 20.718,7.493 20.45,7.225 v1(19.975,7.225) ; 23.841,1.177 23.841,2.491 24,2.65 24.8,2.65 U18.2@25.7,3.55 ; *12.NC@25.293,28.232 25.993,28.232 26.45,27.775 28.7,27.775 29.325,27.15 29.325,25.725 29.611,25.439 U3004.5@30.295,25.439 ; v2(26,24.725) 26.35,24.725 26.952,24.123 U3004.2@27.926,24.123 ; U3004.8@30.295,23.473 30.295,22.905 30.5,22.7 v2@30.5,22.675
  Bottom Layer w0.2: v1(1.3,19.275) 1.55,19.025 IO_CON.16@1.55,18.575 ; v2@4.6,22.525 5.2,22.525 5.325,22.4 U4.1@5.325,21.63 ; LDO1.2@7.324,6.332 LDO1.2@7.324,7.157
  Bottom Layer w0.245: v1@31.05,10.875 31.45,11.275
  Bottom Layer w0.254: v1(3.175,16.4) 3.5,16.075 3.5,14.037 4.75,12.787 4.75,11.925 4.75,11.862 5.037,11.575 IO_CON.1@5.75,11.575 ; C40.1@4.582,6.45 4.582,5.668 4.85,5.4 C45.2@5.725,5.4 C12.C@5.725,3.105 ; LDO1.2@7.074,7.407 9.143,7.407 9.482,7.068 C14.1@9.482,6.45 ; LDO2.2@8.575,24.225 LDO2.2@8.575,25.05 8.575,25.882 C44.2@8.224,26.232 8.224,26.774 8.682,27.232 10.532,27.232 *12.6@11.893,27.232 ; C46.2@8.7,10.2 9.85,10.2 10.025,10.375 v1@10.025,10.975 ; C5.1@10.425,26.6 10.425,27.125 ; R24.1@23.351,0.704 R24.1@23.368,0.704 ; C47.2@25.6,4.8 26.55,4.8 26.975,4.375 ; U18.2@25.725,3.425 C47.2@25.725,4.675 ; v1@26.85,11.025 IO_CON2.30@26.85,11.475 ; U18.3@26.975,3.425 26.975,4.5 28.725,4.5 29.15,4.925 v1(30.2,4.925) ; 31.45,11.275 IO_CON2.1@31.45,11.575
  Bottom Layer w0.257: 10.425,27.125 10.532,27.232
  Bottom Layer w0.3: *12.6@11.893,27.232 v1(13.432,27.232) ; con1.1@18.325,7.225 v1(19.975,7.225)
  Bottom Layer w0.4: 31.45,18.7 31.45,19.45 31.975,19.975 v1(31.975,21.05)
  other v1: 10,10.975 26.775,11.025 13.1,17.075 20.425,21.4 14.625,23.15 0.975,24.125
  other v2: 30.3,22.65
  other v6: 9.625,5.4
  other v8: 3.637,12.313
GPS1_RX: IO_CON2.17 U7.18 | length 17.1
  Mid-Layer 1 w0.15: v2(16.275,10.75) 16.55,10.75 16.9,11.1 16.9,12.778 19.522,15.4 22.05,15.4 v1(22.75,16.1)
  Bottom Layer w0.15: U7.18@16.06,8.947 16.06,9.485 16.225,9.65 16.225,10.475 v2@16.375,10.625 ; v1(22.75,16.1) 22.75,16.947 23.053,17.25 24.064,17.25 24.439,17.625 25.464,17.625 25.914,18.075 IO_CON2.17@27.05,18.075
GPS1_TX: IO_CON2.16 U7.20 | length 16.9
  Mid-Layer 1 w0.15: v2(15.275,10.75) 15.275,11.161 15.7,11.586 15.7,11.967 19.433,15.7 21.8,15.7 21.95,15.85 v1@21.95,16.2
  Bottom Layer w0.15: U7.20@15.06,9.947 15.175,10.062 v2@15.175,10.85 ; v1(21.95,16.175) 22.425,16.65 22.425,17.011 22.939,17.525 23.95,17.525 24.325,17.9 25.35,17.9 26.025,18.575 IO_CON2.16@27.05,18.575
GYRO_CS: 
GYRO_DRDY: U1.35
GYRO_EXT_CS: con1.10 U1.7 | length 11.1
  Top Layer w0.154: v1(10.65,6.525) 11.198,7.073 11.573,7.073 11.877,7.377 12.47,7.377 U1.7@13.088,7.995
  Bottom Layer w0.154: v1(10.65,6.525) 10.65,5.592 11.867,4.375 13.119,4.375 15.017,4.375 15.275,4.117 con1.10@15.275,2.225
I2C1_SCL: U1.95 U7.7 | length 7.1
  Top Layer w0.15: U1.95@12.734,14.713 13.797,13.65 14.064,13.65 14.739,14.326 15.374,14.326 v2(15.525,14.175)
  Bottom Layer w0.15: v2(15.525,14.175) 15.7,14 17.003,14 18.06,12.943 U7.7@18.06,12.447
I2C1_SDA: U1.96 U7.6 | length 6.8
  Top Layer w0.15: U1.96@12.381,14.359 12.381,14.269 13.275,13.375 14.425,13.375 v2(14.926,13.876)
  Bottom Layer w0.15: v2(14.926,13.876) 14.926,13.899 15.1,13.725 16.889,13.725 17.56,13.054 U7.6@17.56,12.447
I2C2_SCL: IO_CON2.7 U1.47 | length 9.3
  Top Layer w0.15: U1.47@29.5,9.2 29.1,9.6 29.1,10.814 30.011,11.725 31.736,11.725 31.975,11.964 31.975,14.2 32.276,14.501 v1(32.557,14.501)
  Bottom Layer w0.15: IO_CON2.7@31.45,14.575 v1@32.5,14.575 ; v1@32.357,14.551 v1@32.482,14.676